# Altium PCB uStepper.PcbDoc (part 2 of 2)
Units mm, origin at the board's own origin, x right, y up, seen from the top; angles counter-clockwise.
Board outline 41.8 x 41.8 mm, 6 copper layers (Top Layer, GND, VCC, Signal, GND2, Bottom Layer), stack 1.55 mm thick; 134 components, 102 nets, 474 pads, 434 vias.
Unrouted connection lines stored in the file: 12.
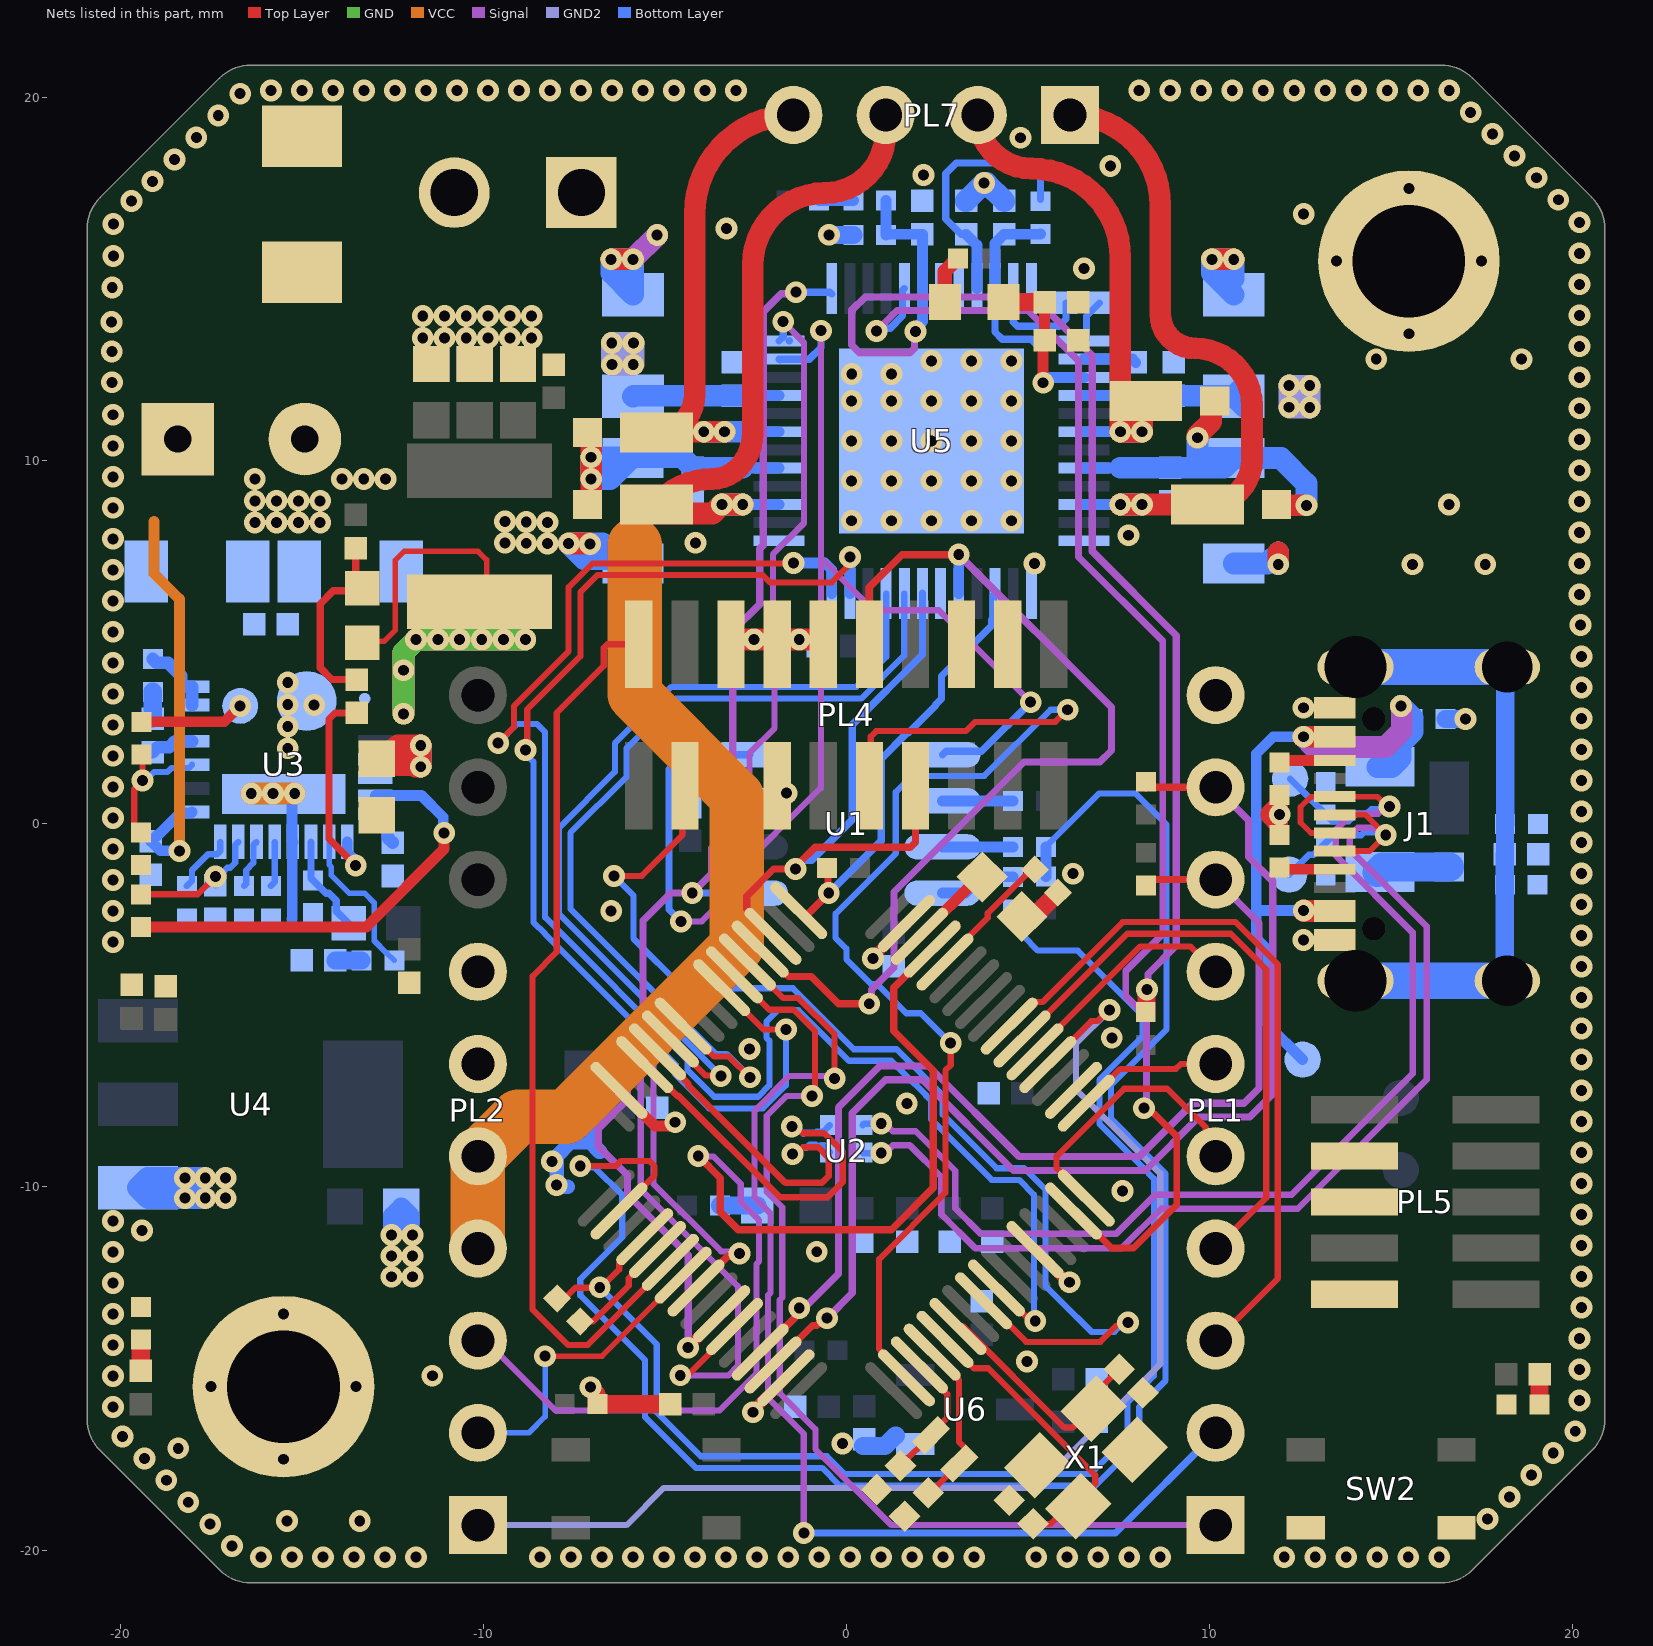
[diagram p6: the nets of this part, all layers, seen from the top]

## Via types
v1: diameter 0.6, hole 0.3, Top Layer to Bottom Layer, tented both sides, 434 vias

## Nets (pads, with @x,y where several pads share a name; then routed paths per layer and width w, separated by ;. In a path a pad name is that pad's centre, name@x,y a point inside that pad or via, vN(x,y) a via of type N, cw(c..) or ccw(c..) an arc to the next point about the centre after c; other vN are vias at no path point) (continued)
CS_DRV: R7.1 U2.33 U5.3 | length 12
  Top Layer w0.2: U2.33@-1.308,-2.389 -1.169,-2.528 -1.103,-2.528 v1(-0.483,-1.907) -0.504,-1.885 -0.504,-1.241 R7.1@-0.526,-1.219
  Bottom Layer w0.2: v1(-0.483,-1.907) 0.962,-0.462 0.962,1.789 1.68,2.507 1.713,2.507 2.457,3.251 2.457,3.284 2.623,3.45 2.623,4.076 4.002,5.455 4.002,5.633 4.05,5.681 4.05,6.3 U5.3@4.1,6.35
CS_DRV2: PL4.3 U2.8 | length 30.4
  Top Layer w0.17: v1(-6.399,-1.431) -5.634,-1.431 -4.508,-0.305 -4.508,0.985 PL4.3@-4.442,1.05 ; U2.8@3.783,-13.137 3.818,-13.137 4.494,-13.812 4.502,-13.812 4.958,-14.268 6.999,-14.268 7.454,-13.813 7.68,-13.813 v1(7.762,-13.731)
  Bottom Layer w0.17: v1(-6.399,-1.431) -5.862,-1.968 -5.862,-3.157 -4.49,-4.529 -1.469,-4.529 0.208,-6.206 1.385,-6.206 2.66,-7.481 2.66,-8.004 4.141,-9.485 4.9,-9.485 5.493,-10.077 5.493,-12.73 5.924,-13.161 6.756,-13.992 7.384,-13.992 7.644,-13.732 v1@7.761,-13.732
CS_ENC: R4.1 R11.1 U2.50 | length 51.2
  Top Layer w0.17: v1(-7.325,-9.425) -6.347,-9.425 -6.206,-9.285 -5.427,-9.285 -5.279,-9.433 -5.279,-9.682 U2.50@-6.258,-10.662
  Bottom Layer w0.17: v1(-7.325,-9.425) -7.284,-9.465 -6.92,-9.465 -6.17,-10.216 -6.17,-11.386 -7.325,-12.541 -7.325,-12.987 -5.54,-14.772 -5.54,-16.34 -4.14,-17.739 -0.667,-17.739 -0.176,-18.23 5.898,-18.23 6.857,-18.23 8.07,-17.017 8.07,-16.058 8.797,-15.331 8.797,-9.634 7.775,-8.612 7.775,-8.61 7.293,-8.128 7.293,-7.185 8.822,-5.656 8.822,-4.152 cw(c10.175,-4.074) 8.822,-3.996 8.822,-1.612 cw(c10.175,-1.534) 8.822,-1.456 8.822,-0.021 8.772,0.029 7.964,0.838 6.971,0.838 R4.1@5.498,-0.635
  Bottom Layer w0.3: R11.1@5.498,-1.455 R4.1@5.498,-0.635
D0/RXD: PL1.1 U2.38 | length 27.8
  Top Layer w0.17: U2.38@-3.076,-4.156 -2.114,-5.118 -1.449,-5.118 -0.856,-5.711 -0.856,-7.293 -0.94,-7.377 v1(-0.94,-7.493)
  Signal w0.17: v1(-0.94,-7.493) -1.645,-7.493 -2.191,-8.04 -2.191,-10.13 -1.764,-10.558 -1.764,-13.047 -1.83,-13.113 -1.83,-15.689 -0.848,-16.671 -0.848,-17.219 1.247,-19.314 PL1.1@10.175,-19.314
D1/TXD: PL1.2 U2.37 | length 31.8
  Top Layer w0.17: U2.37@-2.722,-3.803 -1.729,-4.796 -1.316,-4.796 -0.319,-5.793 v1(-0.319,-7.01)
  Signal w0.17: v1(-1.168,-19.533) -1.168,-16.803 -2.15,-15.821 -2.15,-12.981 -2.084,-12.914 -2.084,-10.733 -2.525,-10.292 -2.525,-7.896 -1.569,-6.94 -0.389,-6.94 v1(-0.319,-7.01)
  Bottom Layer w0.2: v1(-1.168,-19.533) 7.416,-19.533 PL1.2@10.175,-16.774
D2/MOSI1: PL1.3 U2.23 | length 20.1
  Top Layer w0.17: U2.23@4.49,-5.571 5.151,-4.909 5.406,-4.909 7.61,-2.705 10.722,-2.705 11.887,-3.87 11.887,-12.522 PL1.3@10.175,-14.234
D3/MISO1: PL1.4 U2.22 | length 16.6
  Top Layer w0.17: U2.22@4.844,-5.924 7.743,-3.025 10.59,-3.025 11.567,-4.002 11.567,-10.302 PL1.4@10.175,-11.694
D4/TX2: PL1.5 U2.16 | length 7.7
  Top Layer w0.17: U2.16@6.611,-10.308 5.793,-9.49 5.793,-9.154 7.653,-7.295 8.836,-7.295 9.901,-8.36 9.901,-8.88 PL1.5@10.175,-9.154
D5/RX2: PL1.6 U2.17 | length 4
  Top Layer w0.17: U2.17@6.611,-7.692 7.554,-6.75 9.081,-6.75 9.217,-6.614 PL1.6@10.175,-6.614
D6/SCK1: PL1.7 U2.21 | length 6.5
  Top Layer w0.17: U2.21@5.197,-6.278 8.101,-3.374 9.475,-3.374 PL1.7@10.175,-4.074
D7/SCL1: PL1.8 R9.1 U2.61 | length 29.8
  Top Layer w0.2: U2.61@-2.369,-14.551 -1.295,-13.477 v1(-1.295,-13.335) ; R9.1@8.255,-1.542 8.263,-1.534 PL1.8@10.175,-1.534
  Signal w0.2: v1(-1.295,-13.335) -1.153,-13.335 -0.213,-12.395 -0.213,-7.808 0.926,-6.67 2.267,-6.67 4.762,-9.164 8.072,-9.164 9.542,-7.694 10.957,-7.694 11.369,-7.282 11.369,-2.728 PL1.8@10.175,-1.534
D8/SDA1: PL1.9 R8.1 U2.62 | length 32.9
  Top Layer w0.2: U2.62@-2.015,-14.904 -0.926,-13.816 -0.809,-13.816 -0.607,-13.614 v1(-0.526,-13.614) ; R8.1@8.25,0.985 8.271,1.006 PL1.9@10.175,1.006
  Signal w0.2: v1(-0.526,-13.614) 0.167,-12.92 0.167,-7.966 1.084,-7.05 2.11,-7.05 4.605,-9.544 8.243,-9.544 9.713,-8.074 11.114,-8.074 11.749,-7.439 11.749,-1.58 11.079,-0.91 11.079,0.102 PL1.9@10.175,1.006
D9/CS1: PL2.1 U2.20 | length 34.1
  Top Layer w0.17: U2.20@5.551,-6.631 6.749,-5.433 6.918,-5.433 7.223,-5.128 v1(7.252,-5.128)
  GND2 w0.17: PL2.1@-10.145,-19.314 -6.051,-19.314 -5.025,-18.288 5.241,-18.288 8.648,-14.881 8.648,-9.633 6.326,-7.31 6.326,-6.055 v1(7.252,-5.128)
D10/SDA0: PL2.2 U2.55 | length 8.4
  Top Layer w0.152: v1(-8.295,-14.661) -7.802,-14.661 -7.798,-14.665 -7.032,-14.665 -7.028,-14.661 -6.721,-14.661 U2.55@-4.49,-12.429
  Bottom Layer w0.152: PL2.2@-10.145,-16.774 -8.744,-16.774 -8.295,-16.325 v1(-8.295,-14.661)
D11/SCL0: PL2.3 U2.29 | length 31.7
  Top Layer w0.2: v1(-4.077,-9.144) -3.468,-9.753 -3.468,-10.682 -2.974,-11.176 1.246,-11.176 2.398,-10.025 2.398,-6.791 1.308,-5.702 1.308,-4.51 U2.29@2.369,-3.449
  Signal w0.17: PL2.3@-10.145,-14.234 -9.931,-14.234 -8.003,-16.162 -3.497,-16.162 -2.47,-15.135 -2.47,-12.121 -2.404,-12.055 -2.404,-10.908 -2.904,-10.408 -2.904,-9.913 -3.652,-9.164 -4.057,-9.164 v1(-4.077,-9.144)
D_N: D5.2 J1.A7 J1.B7 R36.2 TP2.1 | length 34.5
  Top Layer w0.16: J1.B7@13.453,-0.75 14.414,-0.75 v1(14.859,-0.305) 14.304,0.25 J1.A7@13.453,0.25
  Signal w0.18: v1(0.965,-9.068) 1.069,-9.068 1.281,-8.856 1.535,-8.856 1.755,-8.856 2.615,-9.717 2.615,-10.75 3.55,-11.685 7.592,-11.685 8.678,-10.599 12.434,-10.599 15.99,-7.043 15.99,-2.826 13.872,-0.708 13.872,-0.33 14.095,-0.106 14.547,-0.106 14.745,-0.305 v1(14.859,-0.305)
  Bottom Layer w0.18: R36.2@0.45,-9.05 0.468,-9.068 v1(0.965,-9.068) ; TP2.1@12.2,-1.396 12.744,-0.852 12.872,-0.852 13.393,-0.33 13.482,-0.33 13.498,-0.314 13.945,-0.314 14.185,-0.314 14.274,-0.224 14.779,-0.224 v1(14.859,-0.305)
D_P: D4.2 J1.A6 J1.B6 R37.2 TP1.1 | length 35.7
  Top Layer w0.16: J1.A6@13.453,-0.25 12.801,-0.25 12.515,0.036 12.515,0.464 12.801,0.75 J1.B6@13.453,0.75 14.635,0.75 14.902,0.483 v1(14.961,0.483)
  Signal w0.18: v1(0.965,-8.255) 1.069,-8.255 1.281,-8.466 1.697,-8.466 1.916,-8.466 3.005,-9.555 3.005,-10.589 3.711,-11.295 7.43,-11.295 8.516,-10.209 12.273,-10.209 15.6,-6.881 15.6,-2.988 13.482,-0.869 13.482,-0.168 13.934,0.284 14.648,0.284 14.847,0.483 v1(14.961,0.483)
  Bottom Layer w0.18: R37.2@0.45,-8.296 0.491,-8.255 v1(0.965,-8.255) ; TP1.1@12.227,1.245 12.771,0.7 12.771,0.698 13.393,0.076 13.839,0.076 14.047,0.284 14.343,0.284 14.461,0.402 14.88,0.402 v1(14.961,0.483)
DRV_DIR: U2.43 U5.9 | length 23.7
  Top Layer w0.17: U2.43@-4.844,-5.924 -4.844,-5.959 -3.87,-6.933 -3.464,-6.933 v1(-3.455,-6.943)
  Bottom Layer w0.17: v1(-3.455,-6.943) -7.918,-2.48 -7.918,-0.117 -6.372,1.43 -6.372,2.217 -4.817,3.772 0.275,3.772 1.1,4.597 U5.9@1.1,6.35
DRV_ENA: U2.15 U5.29 | length 37.1
  Top Layer w0.19: U2.15@6.258,-10.662 6.286,-10.662 7.308,-11.684 7.914,-11.684 9.103,-10.495 9.103,-8.597 8.494,-7.987 8.473,-7.987 8.315,-7.83 v1(8.204,-7.83)
  Signal w0.19: v1(0.836,13.579) 1.398,14.141 5.008,14.141 6.403,12.746 6.403,7.351 8.718,5.036 8.718,-3.035 7.699,-4.054 7.699,-4.741 8.268,-5.31 8.268,-7.766 v1(8.204,-7.83)
  Bottom Layer w0.2: v1(0.836,13.579) 0.912,13.655 1.211,13.655 1.55,13.994 1.55,14.7 U5.29@1.6,14.75
DRV_STP: U2.42 U5.8 | length 24.8
  Top Layer w0.17: U2.42@-4.49,-5.571 -4.469,-5.571 -3.631,-6.408 -3.233,-6.408 -2.66,-6.981 v1(-2.65,-6.981)
  Bottom Layer w0.17: v1(-2.65,-6.981) -3.297,-6.334 -3.597,-6.334 -7.596,-2.335 -7.596,-0.25 -6.05,1.296 -6.05,2.084 -4.683,3.45 -4.45,3.45 0.408,3.45 1.6,4.642 U5.8@1.6,6.35
ENC_A: U1.5 U2.58 U5.25 | length 37.1
  Top Layer w0.2: v1@-1.55,14.6 -1.504,14.646 v1(-1.382,14.646)
  Top Layer w0.3: v1(-4.355,-14.427) -4.355,-14.415 U2.58@-3.429,-13.49
  Signal w0.2: v1@-4.376,-14.46 -4.355,-14.438 v1(-4.355,-14.427) -4.355,-11.879 -6.024,-10.209 -6.024,-9.68 -6.828,-8.876 -6.828,-8.396 -6.024,-7.592 -6.024,-5.694 -5.595,-5.264 -5.595,-2.667 -4.833,-1.905 v1(-4.242,-1.905) -3.713,-1.376 -3.713,-0.662 -3.124,-0.073 -3.124,4.845 -3.118,4.852 -3.118,5.32 -2.385,6.053 -2.385,7.575 -2.288,7.673 -2.288,14.103 -1.788,14.603 -1.425,14.603 v1(-1.382,14.646)
  Bottom Layer w0.2: v1(-4.242,-1.905) U1.5@-2.65,-1.905 ; v1(-1.382,14.646) -0.451,14.646 U5.25@-0.4,14.595
ENC_B: U1.8 U2.59 U5.24 | length 44.8
  Top Layer w0.17: v1(-4.572,-15.189) -4.36,-15.189 -3.076,-13.905 U2.59@-3.076,-13.844
  Signal w0.17: v1(-4.572,-15.189) -3.24,-15.189 -2.982,-14.931 -2.982,-12.735 -5.659,-10.058 -5.659,-5.909 -3.212,-3.462 -3.212,-1.924 ; v1(-4.55,-2.687) -3.976,-2.687 -3.212,-1.924 ; v1(-1.738,13.833) -1.163,13.259 -1.163,8.281 -2.02,7.424 -2.02,5.361 -1.973,5.314 -1.973,2.641 -2.668,1.946 -2.668,-0.482 -3.212,-1.026 -3.212,-1.924
  Bottom Layer w0.2: v1(-4.55,-2.687) -4.881,-2.356 -4.881,1.505 -4.481,1.905 U1.8@-2.65,1.905 ; U5.24@-1.85,13.3 -1.738,13.412 v1(-1.738,13.833) ; U5.24@-1.573,13.3 U5.24@-1.56,13.313
ENC_N: U1.1 U2.56 U5.23 | length 42.5
  Top Layer w0.2: U2.56@-4.137,-12.783 -3.263,-11.91 -3.015,-11.91 v1(-2.939,-11.833)
  Signal w0.17: v1@-2.862,-11.91 v1(-2.939,-11.833) -2.998,-11.774 -3.448,-11.774 -5.309,-9.913 -5.309,-6.054 -4.098,-4.842 -2.862,-3.607 -2.862,-1.171 -0.698,0.993 -0.698,7.328 ; v1(-0.698,13.585) -0.698,7.328 ; v1(5.08,3.353) 2.55,5.883 0.747,5.883 -0.698,7.328
  Bottom Layer w0.2: U5.23@-1.825,12.775 U5.23@-1.85,12.8 -1.016,12.8 -0.698,13.118 v1(-0.698,13.585) ; U1.1@2.65,1.905 2.746,2.001 3.728,2.001 v1(5.08,3.353)
GND: C1.2 C2.1 C3.1 C4.1 C5.1 C6.1 C7.1 C8.1 C9.1 C10.1 C11.1 C12.1 C13.1 C14.1 C15.1 C16.1 C17.1 C18.1 C20.2 C21.2 C22.1 C23.1 C24.1 C25.1 C26.1 C27.1 C28.1 C29.1 C30.1 C31.1 C33.1 C35.1 C36.1 C37.1 C38.2 C40.2 C41.2 C42.2 C43.2 C44.2 C46.2 C47.1 C48.1 C49.1 C50.2 C51.2 C52.2 C53.1 C54.1 C55.1 C56.1 C57.1 C58.1 D1.1 D4.1 D5.1 D6.1 D7.1 J1.A1-B12 J1.B1-A12 pad.1 pad.3 PL1.10 PL2.6 PL2.7 PL3.1 PL4.6 PL4.7 PL4.8 PL4.10 PL4.16 PL4.18 PL5.3 PL5.5 PL5.9 R5.1 R6.1 R10.1 R15.2 R18.1 R21.1 R22.1 R23.1 R24.1 R27.1 R28.1 R29.2 R33.1 R34.1 R35.1 SW2.3 SW2.4 U1.7 U2.12 U2.18 U2.31 U2.47 U2.63 U3.9-10-11-30 U3.17 U3.23 U3.28 U4.1 U5.1 U5.6 U5.13 U5.31 U5.32 U5.36 U5.48 U5.49 U6.1 X1.2 X1.4 | length 47.9
  Top Layer w0.3: U2.47@-6.258,-7.338 -5.275,-8.321 -4.897,-8.321 -4.793,-8.217 v1(-4.712,-8.217) ; v1(-2.565,-16.205) -2.565,-16.162 U2.63@-1.662,-15.258 ; v1(0.737,-3.708) 0.737,-3.671 1.025,-3.383 1.025,-3.379 U2.31@1.662,-2.742 ; U2.12@5.197,-11.722 6.099,-12.624 v1(6.147,-12.624)
  Top Layer w0.5: v1(-7.043,-15.515) -7.043,-15.542 -6.878,-15.707 -6.878,-15.956 R5.1@-6.853,-15.981 C8.1@-4.842,-15.981 ; C12.1@4.841,-2.555 5.168,-2.555 R10.1@5.83,-1.893 ; R33.1@11.938,-0.305 11.913,-0.28 11.913,-0.027 11.659,0.227 11.659,0.281 11.913,0.535 11.913,0.77 R34.1@11.938,0.795
  Top Layer w0.6: v1(-7.645,7.722) -7.071,7.722 v1(-7.061,7.712) ; v1(-6.475,15.55) v1(-5.875,15.55) ; PL4.6@-3.172,4.95 -3.172,5.005 -3.097,5.08 v1(-2.538,5.08) v1(-1.295,5.08) -0.707,5.08 -0.632,5.005 PL4.10@-0.632,4.95 ; v1(10.075,15.55) v1(10.675,15.55) ; v1(11.9,7.149) 11.9,7.475
  Signal w0.6: v1(-6.475,15.55) v1(-5.875,15.55) v1(-5.207,16.219) ; v1(10.075,15.55) v1(10.675,15.55)
  VCC w0.6: v1(-16.389,0.838) v1(-15.789,0.838) v1(-15.189,0.838) ; v1(-6.475,15.55) v1@-5.878,15.55 ; v1(10.075,15.55) v1(10.675,15.55)
  Bottom Layer w0.3: U3.28@-15.493,0.827 -15.266,0.6 -15.266,-0.475 U3.23@-15.243,-0.498 -15.258,-0.513 -15.258,-2.609 -15.264,-2.615
  Bottom Layer w0.4: -7.677,-9.995 -7.872,-9.995 -7.923,-9.944 v1(-7.977,-9.944) -7.977,-9.155 -7.595,-8.773 -7.055,-8.773 -6.8,-9.028 -6.779,-9.028 -6.798,-9.009 -6.964,-8.842 -6.964,-8.593 C2.1@-7.264,-8.293
  Bottom Layer w0.5: v1(-12.522,-11.327) -12.503,-11.308 -12.503,-10.789 C37.1@-12.255,-10.541 -12.008,-10.788 -12.008,-11.308 v1@-11.989,-11.327 ; v1(-0.475,16.225) R29.2@0.2,16.225 ; C5.1@0.457,-17.135 1.069,-17.135 1.362,-16.842 ; D6.1@16.503,2.894 16.505,2.892 v1(17.06,2.89) v1(17.06,2.89)
  Bottom Layer w0.6: v1(-17.656,-10.309) v1(-18.212,-10.309) -19.221,-10.309 U4.1@-19.508,-10.022 -19.24,-9.754 v1(-18.212,-9.754) v1(-17.656,-9.754) ; C48.1@3.3,17.16 3.79,17.65 v1(3.8,17.65) 3.86,17.65 C49.1@4.35,17.16 ; R27.1@10.675,7.175 11.6,7.175 v1@11.737,7.312 ; C42.2@10.675,14.575 C42.2@10.45,14.8 ; v1(11.9,7.149) 11.9,7.475 ; R28.1@-6.292,7.297 -7.221,7.297 v1(-7.645,7.722) -6.717,7.722 R28.1@-6.292,7.297 ; R28.1@-6.292,7.297 -5.997,7.297 R28.1@-5.875,7.175 -6.17,7.175 R28.1@-6.292,7.297 ; C42.2@10.45,14.8 10.675,15.025 v1(10.675,15.55) v1(10.075,15.55) 10.075,15.175 C42.2@10.45,14.8 ; -6.475,15.175 v1(-6.475,15.55) v1(-5.875,15.55) C43.2@-5.875,14.575 -6.475,15.175
  other v1: -16.118,-20.198 -15.264,-20.198 -14.41,-20.198 -13.556,-20.198 -12.702,-20.198 -11.848,-20.198 -8.432,-20.198 -7.578,-20.198 -6.724,-20.198 -5.87,-20.198 -5.016,-20.198 -4.162,-20.198 -3.308,-20.198 -2.454,-20.198 -1.6,-20.198 -0.746,-20.198 0.108,-20.198 0.962,-20.198 1.816,-20.198 2.67,-20.198 3.524,-20.198 5.232,-20.198 6.086,-20.198 6.94,-20.198 7.794,-20.198 8.648,-20.198 12.064,-20.198 12.918,-20.198 13.772,-20.198 14.626,-20.198 15.48,-20.198 16.334,-20.198 -16.915,-19.892 -17.519,-19.288 -15.4,-19.2 -13.4,-19.2 17.663,-19.143 -18.123,-18.684 18.267,-18.54 -18.727,-18.08 18.871,-17.936 -15.5,-17.5 -19.331,-17.476 19.475,-17.332 -18.4,-17.2 -0.102,-17.069 -19.935,-16.872 20.079,-16.728 -20.198,-16.06 20.198,-15.882 -17.5,-15.5 -13.5,-15.5 -20.198,-15.206 -11.4,-15.2 20.198,-15.028 4.978,-14.808 -20.198,-14.352 20.198,-14.174 -20.198,-13.498 -15.5,-13.5 20.25,-13.32 -20.198,-12.644 -12.522,-12.474 -11.949,-12.474 20.25,-12.466 -12.522,-11.901 -11.949,-11.901 -20.198,-11.79 -0.813,-11.786 20.25,-11.612 -11.949,-11.327 -19.4,-11.2 -20.198,-10.936 20.25,-10.758 -17.101,-10.309 7.613,-10.112 20.25,-9.904 -17.101,-9.754 -8.103,-9.296 20.25,-9.05 20.25,-8.196 1.668,-7.698 20.25,-7.342 20.25,-6.488 -2.667,-6.198 7.315,-5.893 20.25,-5.634 20.25,-4.78 20.25,-3.926 -20.198,-3.25 12.598,-3.2 20.25,-3.072 -20.198,-2.396 -6.475,-2.403 20.25,-2.218 -20.198,-1.542 6.248,-1.372 20.25,-1.364 -20.198,-0.688 20.25,-0.51 -20.198,0.166 11.938,0.259 20.25,0.344 -1.644,0.846 -20.198,1.02 20.25,1.198 -20.198,1.874 20.25,2.052 -15.383,2.084 -15.383,2.684 -20.198,2.728 20.25,2.906 12.598,3.2 -14.656,3.277 -15.383,3.284 -20.198,3.582 20.25,3.76 -15.383,3.892 -20.198,4.436 20.25,4.614 -20.198,5.29 20.224,5.476 -20.198,6.144 20.198,6.322 -20.198,6.998 15.6,7.149 17.6,7.149 5.183,7.174 20.198,7.176 -8.23,7.722 -9.398,7.742 -8.814,7.732 -4.148,7.742 -20.198,7.852 7.775,7.95 20.198,8.03 -8.23,8.306 -9.398,8.326 -8.814,8.316 0.15,8.35 1.25,8.35 2.35,8.35 3.45,8.35 4.55,8.35 -20.198,8.706 16.6,8.8 20.198,8.884 0.15,9.45 1.25,9.45 2.35,9.45 3.45,9.45 4.55,9.45 -20.198,9.56 20.198,9.738 -20.198,10.414 0.15,10.55 1.25,10.55 2.35,10.55 3.45,10.55 4.55,10.55 20.198,10.592 -20.198,11.268 20.198,11.446 0.15,11.65 1.25,11.65 2.35,11.65 3.45,11.65 4.55,11.65 -20.222,12.163 20.198,12.3 0.152,12.395 1.245,12.395 2.35,12.75 3.45,12.75 4.55,12.75 14.6,12.8 18.6,12.8 -20.228,13.014 20.198,13.154 -11.665,13.386 -11.065,13.386 -10.465,13.386 -9.865,13.386 -9.265,13.386 -8.665,13.386 15.5,13.5 -20.234,13.824 -11.665,13.986 -11.065,13.986 -10.465,13.986 -9.865,13.986 -9.265,13.986 -8.665,13.986 20.198,14.008 -20.216,14.777 20.198,14.862 6.55,15.3 13.5,15.5 17.5,15.5 -20.187,15.646 20.198,15.716 -3.3,16.4 -20.187,16.527 20.198,16.57 12.6,16.8 -19.684,17.154 19.614,17.193 15.5,17.5 -19.108,17.699 19.01,17.797 2.125,17.875 7.275,18.125 -18.504,18.302 18.406,18.401 4.8,18.9 -17.9,18.906 17.802,19.005 -17.297,19.51 17.2,19.6 -16.693,20.114 -15.843,20.198 -14.989,20.198 -14.135,20.198 -13.281,20.198 -12.427,20.198 -11.573,20.198 -10.719,20.198 -9.865,20.198 -9.011,20.198 -8.157,20.198 -7.303,20.198 -6.449,20.198 -5.595,20.198 -4.741,20.198 -3.887,20.198 -3.033,20.198 8.069,20.198 8.923,20.198 9.777,20.198 10.631,20.198 11.485,20.198 12.339,20.198 13.193,20.198 14.047,20.198 14.901,20.198 15.755,20.198 16.609,20.198
MISO_DRV: PL4.13 U2.35 U5.7 | length 17.5
  Top Layer w0.2: U2.35@-2.015,-3.096 -2.015,-3.069 -2.743,-2.341 -2.743,-1.985 -2.003,-1.245 v1(-1.397,-1.245) -1.397,-1.142 -1.301,-1.046 -1.259,-1.046 -0.856,-0.642 1.773,-0.642 1.908,-0.508 PL4.13@1.908,1.05
  Bottom Layer w0.2: v1(-1.397,-1.245) -1.397,-1.193 -1.25,-1.046 -1.204,-0.999 -0.949,-0.999 0.167,0.117 0.167,2.733 2.1,4.665 U5.7@2.1,6.35
MISO_ENC: R2.1 R3.1 U2.52 | length 40.3
  Top Layer w0.17: R2.1@-7.964,-13.068 -7.75,-13.068 -7.458,-12.776 -6.801,-12.776 v1(-6.79,-12.765) ; v1@-6.756,-12.776 -6.252,-12.272 -6.252,-12.105 -5.551,-11.404 U2.52@-5.551,-11.369
  Bottom Layer w0.17: v1(-6.79,-12.765) -5.218,-14.337 -5.218,-16.206 -4.007,-17.417 -0.533,-17.417 -0.043,-17.908 5.768,-17.908 6.727,-17.908 7.75,-16.884 7.75,-15.925 ; R3.1@4.597,-2.357 4.787,-2.547 4.787,-2.595 4.873,-2.68 4.873,-3.081 5.282,-3.491 6.382,-3.491 8.157,-5.266 8.157,-5.868 6.973,-7.052 6.973,-8.263 8.157,-9.447 8.157,-9.45 8.475,-9.767 8.475,-15.201 7.75,-15.925 ; 8.337,-15.338 7.75,-15.925
MOSI_DRV: PL4.12 U2.36 U5.5 | length 27.3
  Top Layer w0.2: U2.36@-2.369,-3.449 -2.342,-3.449 -1.589,-4.202 -0.965,-4.202 -0.214,-4.953 v1(0.635,-4.953) ; PL4.12@0.638,4.95 0.638,6.52 1.534,7.417 v1(3.1,7.417)
  Signal w0.2: v1(0.635,-4.953) 0.698,-4.89 0.698,-4.567 1.317,-3.949 1.317,-1.876 4.896,1.703 6.986,1.703 7.305,2.023 7.305,3.212 v1(3.1,7.417) v1@3.208,7.417
  Bottom Layer w0.3: U5.5@3.1,6.35 v1(3.1,7.417)
MOSI_ENC: R2.2 U2.53 | length 3.1
  Top Layer w0.17: R2.2@-7.327,-13.704 -6.972,-13.704 -5.988,-12.72 -5.988,-12.513 U2.53@-5.197,-11.722
NetC12_2: C12.2 U2.30 | length 2.4
  Top Layer w0.3: U2.30@2.015,-3.096 3.652,-1.459 C12.2@3.745,-1.459
NetC13_2: C13.2 U2.6 X1.1 | length 6.5
  Top Layer w0.17: U2.6@3.076,-13.844 3.227,-13.844 6.009,-16.626 6.235,-16.626 6.755,-16.106 X1.1@6.816,-16.106 6.816,-15.724 C13.2@7.523,-15.016
NetC14_2: C14.2 U2.5 X1.3 | length 8.2
  Top Layer w0.17: U2.5@2.722,-14.197 3.518,-14.993 3.914,-14.993 6.857,-17.936 6.857,-18.176 6.392,-18.641 X1.3@6.392,-18.793 6.115,-18.793 5.629,-19.279 C14.2@5.145,-19.279
NetC17_2: C17.2 U2.3 Y1.1 | length 3.6
  Top Layer w0.17: C17.2@1.494,-17.683 Y1.1@2.337,-16.841 Y1.1@2.337,-16.841 2.337,-16.805 2.783,-16.36 2.783,-15.707 2.015,-14.94 U2.3@2.015,-14.904
NetC18_2: C18.2 U2.4 Y1.2 | length 4.7
  Top Layer w0.17: C18.2@2.256,-18.42 2.314,-18.42 3.292,-17.442 3.292,-17.209 3.105,-17.022 3.105,-15.322 2.369,-14.586 U2.4@2.369,-14.551
NetC19_1: C19.1 U3.4 | length 1.2
  Bottom Layer w0.35: C19.1@-19.101,1.978 -18.966,2.113 -18.644,2.113 -18.48,2.277 U3.4@-18.018,2.277
NetC19_2: C19.2 R13.1 | length 0.7
  Bottom Layer w0.5: C19.2@-19.101,2.898 R13.1@-19.101,3.639
NetC23_2: C23.2 R38.2 U3.26 | length 3.8
  Top Layer w0.175: R38.2@-19.431,-1.939 -17.864,-1.939 v1(-17.374,-1.448)
  Bottom Layer w0.175: C23.2@-17.374,-1.696 -17.151,-1.474 -17.151,-1.315 -17.049,-1.212 -16.969,-1.212 -16.828,-1.072 -16.828,-0.583 U3.26@-16.743,-0.498
NetC24_2: C24.2 R14.2 | length 0.7
  Bottom Layer w0.5: C24.2@-14.072,-3.759 R14.2@-13.348,-3.759
NetC26_2: C26.2 U3.16 | length 6.7
  Top Layer w0.6: C26.2@-12.624,1.891 -12.349,1.616 -11.914,1.616 -11.872,1.575 v1(-11.719,1.575) v1(-11.719,2.159) -12.356,2.159 C26.2@-12.624,1.891
  VCC w0.6: v1(-11.719,1.575) v1(-11.719,2.159)
  GND2 w0.6: v1(-11.719,1.575) v1(-11.719,2.159)
  Bottom Layer w0.3: U3.16@-12.968,1.777 -12.003,1.777 -11.8,1.575 v1(-11.719,1.575)
  Bottom Layer w0.35: U3.16@-12.968,1.777 -12.003,1.777
  Bottom Layer w0.6: v1(-11.719,1.575) v1(-11.719,2.159)
NetC27_2: C27.2 U3.19 | length 1
  Bottom Layer w0.35: U3.19@-12.968,0.277 -12.628,-0.063 -12.628,-0.38 C27.2@-12.493,-0.515
NetC32_1: C32.1 C34.2 R19.2 | length 5.4
  Top Layer w0.2: C32.1@-13.513,7.592 -13.513,6.668 R19.2@-13.335,6.49 -13.404,6.422 -14.127,6.422 -14.49,6.059 -14.49,4.302 -14.165,3.977 C34.2@-13.487,3.977
NetC34_1: C34.1 U3.20 | length 5.9
  Top Layer w0.2: v1(-13.513,-1.143) -14.249,-0.406 -14.249,2.89 -14.083,3.057 C34.1@-13.487,3.057
  Bottom Layer w0.3: U3.20@-13.743,-0.498 -13.743,-0.798 -13.57,-0.97 -13.57,-1.086 v1(-13.513,-1.143)
NetC39_1: C39.1 U5.38 | length 1.5
  Bottom Layer w0.3: U5.38@6.55,12.8 7.885,12.8 C39.1@7.975,12.71
NetC45_1: C45.1 U5.35 | length 3
  Bottom Layer w0.2: U5.35@4.6,14.75 4.6,13.825 4.72,13.705 5.855,13.705 6.055,13.905 C45.1@6.055,14.35
NetC45_2: C45.2 U5.37 | length 1.2
  Bottom Layer w0.2: U5.37@6.55,13.3 6.617,13.367 6.617,13.992 C45.2@6.975,14.35
NetC46_1: C46.1 C47.2 C49.2 L3.2 R26.1 U5.34 U5.39 | length 10.8
  Top Layer w0.3: v1(5.425,12.15) 5.425,13.285 cw(c5.465,13.285) C46.1@5.465,13.325 C47.2@5.465,14.375 C47.2@5.455,14.385
  Top Layer w0.5: L3.2@4.33,14.375 C47.2@5.465,14.375
  Bottom Layer w0.2: U5.34@4.1,14.75 4.1,13.55 4.298,13.352 5.098,13.352 5.425,13.025 v1(5.425,12.15)
  Bottom Layer w0.3: U5.34@4.1,14.75 4.1,15.99 C49.2@4.35,16.24 5.34,16.24 R26.1@5.35,16.25 ; v1(5.425,12.15) 5.575,12.3 U5.39@6.55,12.3
NetC48_2: C48.2 R26.2 U5.33 | length 7.2